# Altium PCB radxa_nx4_io_board_v1.11.PcbDoc (part 3 of 13) (continued)
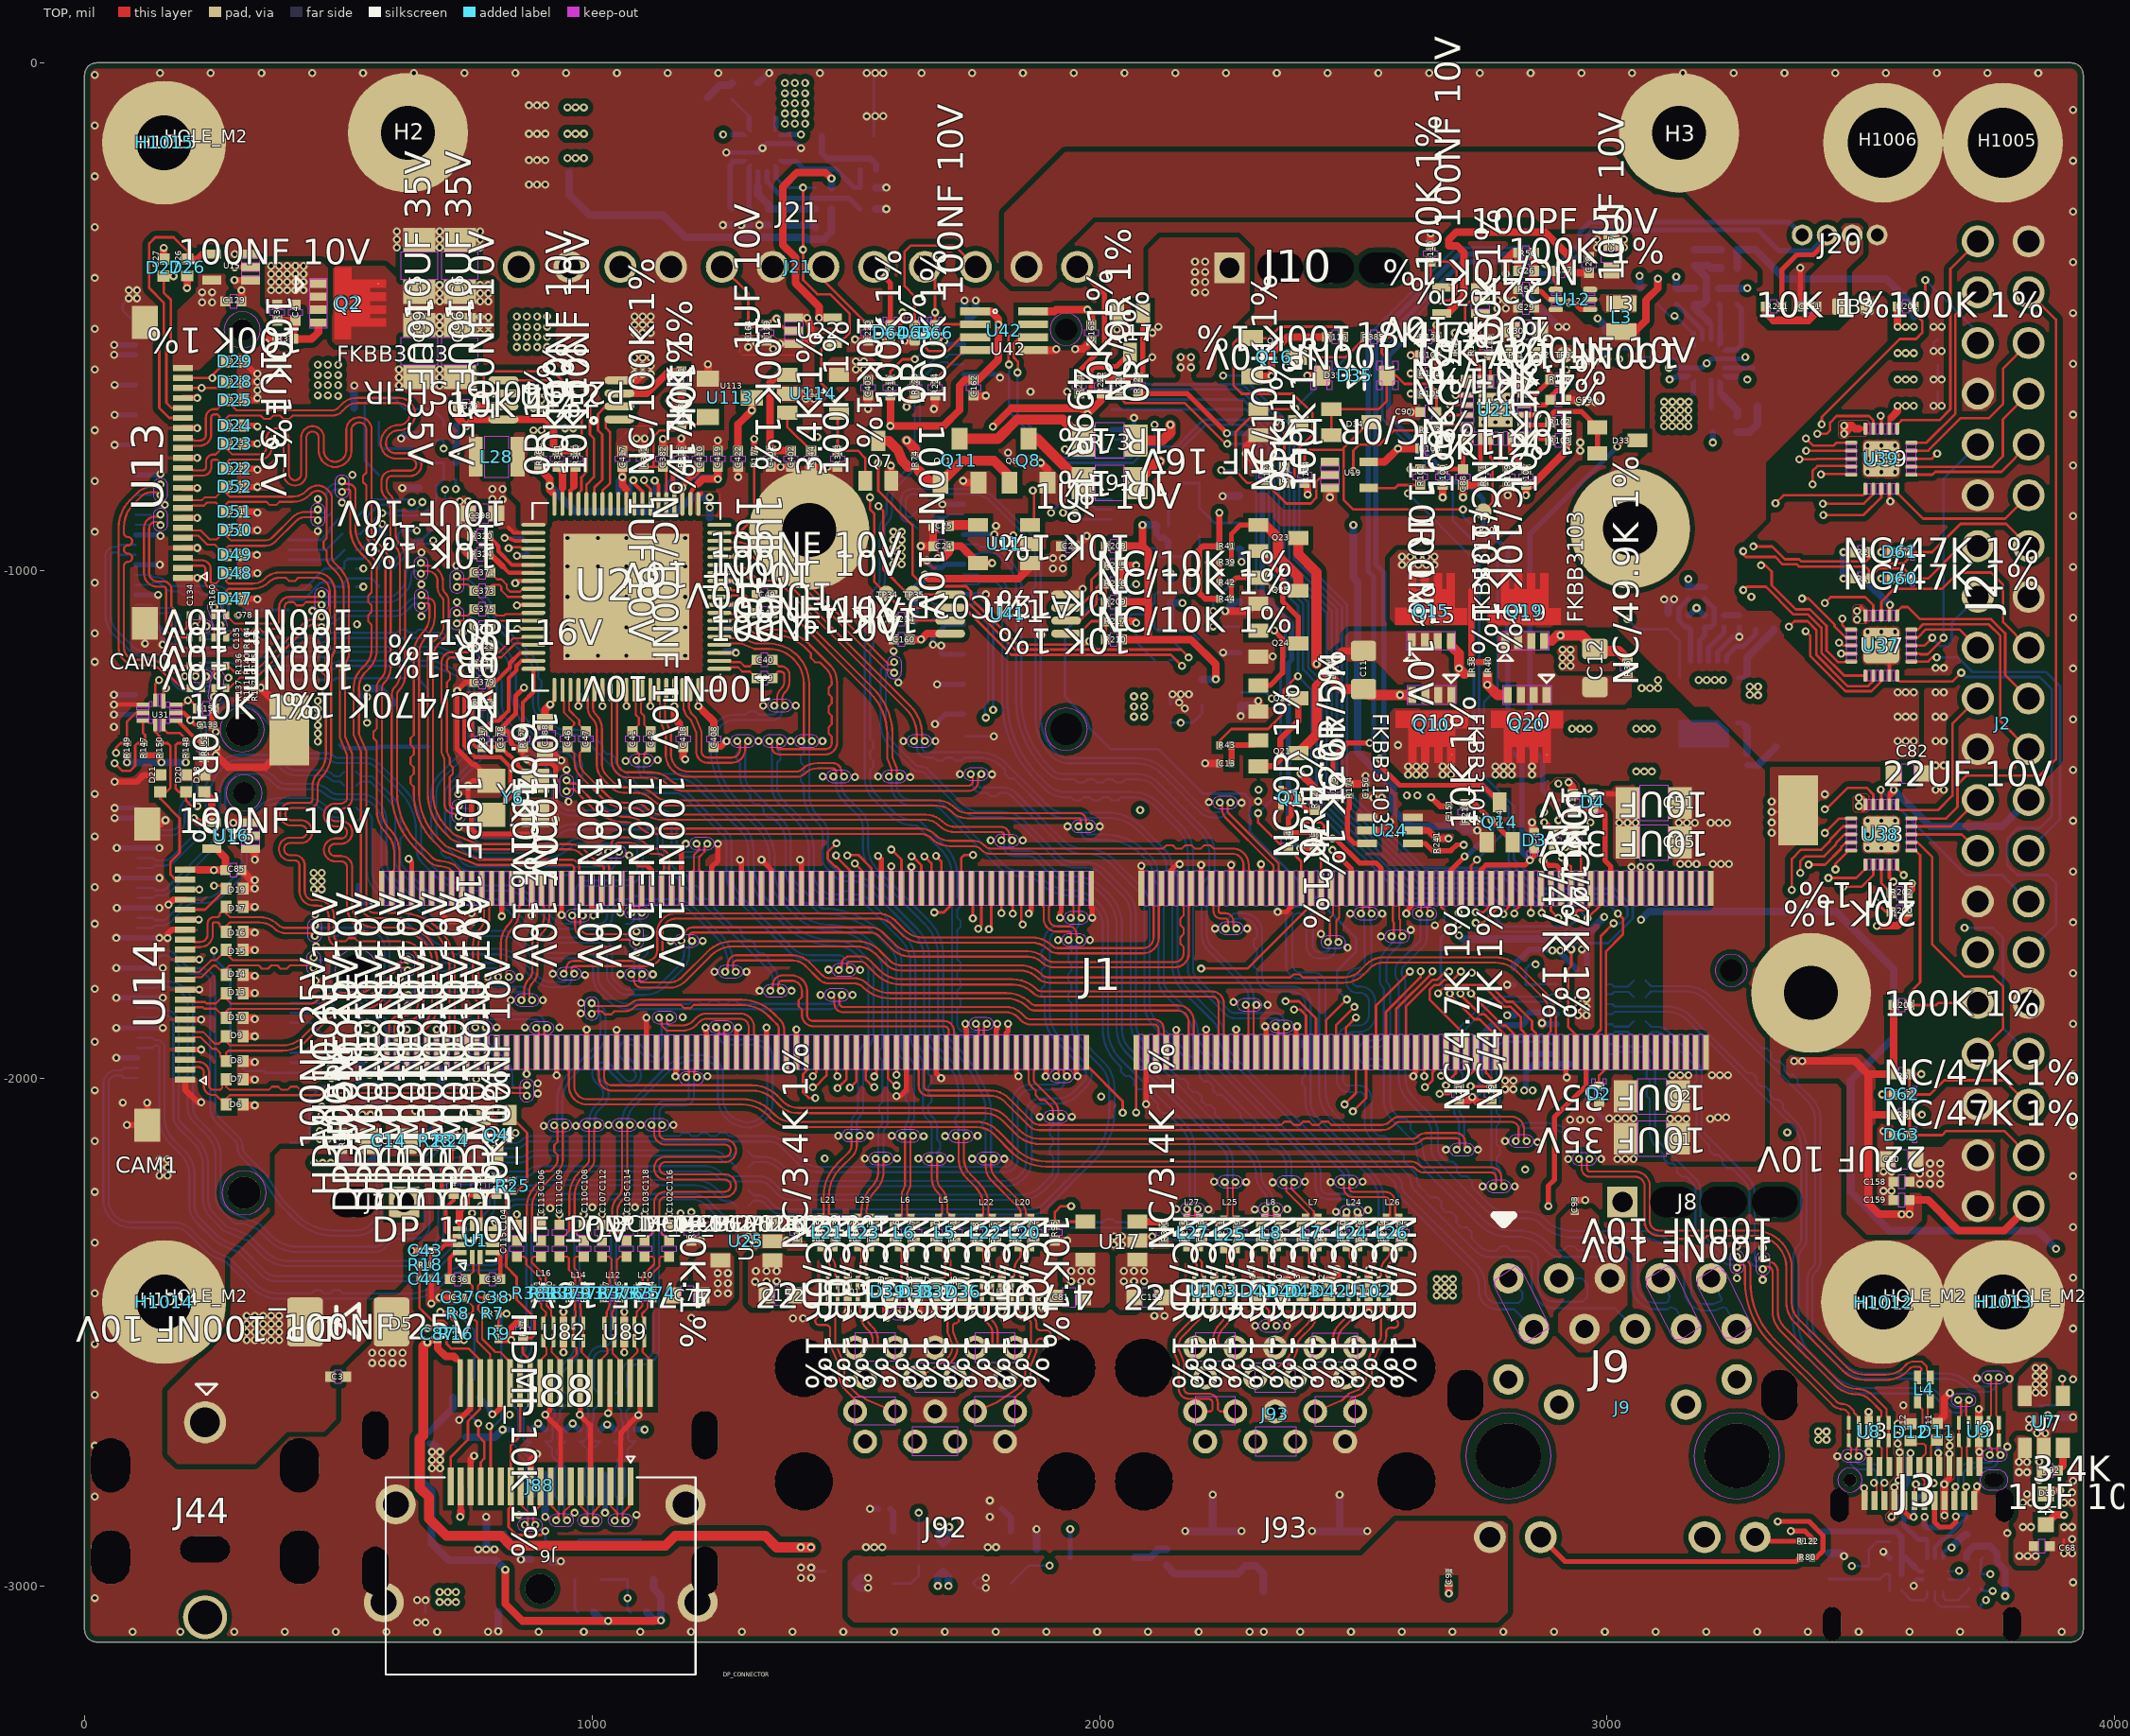
[diagram p0: TOP view]
## Footprints (in the part's own frame and the unit in brackets; to place one, negate y for a bottom-side part, rotate by r counter-clockwise, add the part's x,y. Pads: shape width x height; smd on the part's side, far side on the other; paste and mask are expansions set on the pad) (continued)
  TOP keep-out region: 1111.46,695.37 1111.46,626.48 1102.8,626.48 1102.8,695.37
  TOP keep-out region: 1131.15,695.37 1131.15,626.48 1122.49,626.48 1122.49,695.37
  TOP keep-out region: 1150.83,695.37 1150.83,626.48 1142.17,626.48 1142.17,695.37
  TOP keep-out region: 1170.52,695.37 1170.52,626.48 1161.86,626.48 1161.86,695.37
  TOP keep-out region: 1190.2,695.37 1190.2,626.48 1181.54,626.48 1181.54,695.37
  TOP keep-out region: 1209.89,695.37 1209.89,626.48 1201.23,626.48 1201.23,695.37
  TOP keep-out region: 1229.57,695.37 1229.57,626.48 1220.91,626.48 1220.91,695.37
  TOP keep-out region: 1249.26,695.37 1249.26,626.48 1240.6,626.48 1240.6,695.37
  TOP keep-out region: 1268.94,695.37 1268.94,626.48 1260.28,626.48 1260.28,695.37
  TOP keep-out region: 1288.63,695.37 1288.63,626.48 1279.97,626.48 1279.97,695.37
  TOP keep-out region: 1308.31,695.37 1308.31,626.48 1299.65,626.48 1299.65,695.37
  TOP keep-out region: -79.48,372.54 -79.48,303.64 -88.14,303.64 -88.14,372.54
  TOP keep-out region: -59.8,372.54 -59.8,303.64 -68.46,303.64 -68.46,372.54
  TOP keep-out region: -40.11,372.54 -40.11,303.64 -48.77,303.64 -48.77,372.54
  TOP keep-out region: -20.43,372.54 -20.43,303.64 -29.09,303.64 -29.09,372.54
  TOP keep-out region: -0.74,372.54 -0.74,303.64 -9.4,303.64 -9.4,372.54
  TOP keep-out region: 18.94,372.54 18.94,303.64 10.28,303.64 10.28,372.54
  TOP keep-out region: 38.63,372.54 38.63,303.64 29.97,303.64 29.97,372.54
  TOP keep-out region: 58.31,372.54 58.31,303.64 49.65,303.64 49.65,372.54
  TOP keep-out region: 78,372.54 78,303.64 69.34,303.64 69.34,372.54
  TOP keep-out region: 97.68,372.54 97.68,303.64 89.02,303.64 89.02,372.54
  TOP keep-out region: 117.37,372.54 117.37,303.64 108.71,303.64 108.71,372.54
  TOP keep-out region: 137.05,372.54 137.05,303.64 128.39,303.64 128.39,372.54
  TOP keep-out region: 156.74,372.54 156.74,303.64 148.08,303.64 148.08,372.54
  TOP keep-out region: 176.42,372.54 176.42,303.64 167.76,303.64 167.76,372.54
  TOP keep-out region: 196.11,372.54 196.11,303.64 187.45,303.64 187.45,372.54
  TOP keep-out region: 215.79,372.54 215.79,303.64 207.13,303.64 207.13,372.54
  TOP keep-out region: 235.48,372.54 235.48,303.64 226.82,303.64 226.82,372.54
  TOP keep-out region: 255.16,372.54 255.16,303.64 246.5,303.64 246.5,372.54
  TOP keep-out region: 274.85,372.54 274.85,303.64 266.19,303.64 266.19,372.54
  TOP keep-out region: 294.54,372.54 294.54,303.64 285.87,303.64 285.87,372.54
  TOP keep-out region: 314.22,372.54 314.22,303.64 305.56,303.64 305.56,372.54
  TOP keep-out region: 333.91,372.54 333.91,303.64 325.24,303.64 325.24,372.54
  TOP keep-out region: 353.59,372.54 353.59,303.64 344.93,303.64 344.93,372.54
  TOP keep-out region: 373.28,372.54 373.28,303.64 364.61,303.64 364.61,372.54
  TOP keep-out region: 392.96,372.54 392.96,303.64 384.3,303.64 384.3,372.54
  TOP keep-out region: 412.65,372.54 412.65,303.64 403.98,303.64 403.98,372.54
  TOP keep-out region: 432.33,372.54 432.33,303.64 423.67,303.64 423.67,372.54
  TOP keep-out region: 452.02,372.54 452.02,303.64 443.35,303.64 443.35,372.54
  TOP keep-out region: 471.7,372.54 471.7,303.64 463.04,303.64 463.04,372.54
  TOP keep-out region: 491.39,372.54 491.39,303.64 482.72,303.64 482.72,372.54
  TOP keep-out region: 511.07,372.54 511.07,303.64 502.41,303.64 502.41,372.54
  TOP keep-out region: 530.76,372.54 530.76,303.64 522.09,303.64 522.09,372.54
  TOP keep-out region: 550.44,372.54 550.44,303.64 541.78,303.64 541.78,372.54
  TOP keep-out region: 570.13,372.54 570.13,303.64 561.46,303.64 561.46,372.54
  TOP keep-out region: 589.81,372.54 589.81,303.64 581.15,303.64 581.15,372.54
  TOP keep-out region: 609.5,372.54 609.5,303.64 600.83,303.64 600.83,372.54
  TOP keep-out region: 629.18,372.54 629.18,303.64 620.52,303.64 620.52,372.54
  TOP keep-out region: 648.87,372.54 648.87,303.64 640.2,303.64 640.2,372.54
  TOP keep-out region: 668.55,372.54 668.55,303.64 659.89,303.64 659.89,372.54
  TOP keep-out region: 688.24,372.54 688.24,303.64 679.57,303.64 679.57,372.54
  TOP keep-out region: 707.92,372.54 707.92,303.64 699.26,303.64 699.26,372.54
  TOP keep-out region: 727.61,372.54 727.61,303.64 718.94,303.64 718.94,372.54
  TOP keep-out region: 747.29,372.54 747.29,303.64 738.63,303.64 738.63,372.54
  TOP keep-out region: 766.98,372.54 766.98,303.64 758.31,303.64 758.31,372.54
  TOP keep-out region: 786.66,372.54 786.66,303.64 778,303.64 778,372.54
  TOP keep-out region: 806.35,372.54 806.35,303.64 797.68,303.64 797.68,372.54
  TOP keep-out region: 826.03,372.54 826.03,303.64 817.37,303.64 817.37,372.54
  TOP keep-out region: 845.72,372.54 845.72,303.64 837.05,303.64 837.05,372.54
  TOP keep-out region: 865.4,372.54 865.4,303.64 856.74,303.64 856.74,372.54
  TOP keep-out region: 885.09,372.54 885.09,303.64 876.42,303.64 876.42,372.54
  TOP keep-out region: 904.77,372.54 904.77,303.64 896.11,303.64 896.11,372.54
  TOP keep-out region: 924.46,372.54 924.46,303.64 915.79,303.64 915.79,372.54
  TOP keep-out region: 944.14,372.54 944.14,303.64 935.48,303.64 935.48,372.54
  TOP keep-out region: 963.83,372.54 963.83,303.64 955.16,303.64 955.16,372.54
  TOP keep-out region: 983.51,372.54 983.51,303.64 974.85,303.64 974.85,372.54
  TOP keep-out region: 1003.2,372.54 1003.2,303.64 994.54,303.64 994.54,372.54
  TOP keep-out region: 1022.88,372.54 1022.88,303.64 1014.22,303.64 1014.22,372.54
  TOP keep-out region: 1042.57,372.54 1042.57,303.64 1033.91,303.64 1033.91,372.54
  TOP keep-out region: 1062.25,372.54 1062.25,303.64 1053.59,303.64 1053.59,372.54
  TOP keep-out region: 1081.94,372.54 1081.94,303.64 1073.28,303.64 1073.28,372.54
  TOP keep-out region: 1101.62,372.54 1101.62,303.64 1092.96,303.64 1092.96,372.54
  TOP keep-out region: 1121.31,372.54 1121.31,303.64 1112.65,303.64 1112.65,372.54
  TOP keep-out region: 1140.99,372.54 1140.99,303.64 1132.33,303.64 1132.33,372.54
  TOP keep-out region: 1160.68,372.54 1160.68,303.64 1152.02,303.64 1152.02,372.54
  TOP keep-out region: 1180.36,372.54 1180.36,303.64 1171.7,303.64 1171.7,372.54
  TOP keep-out region: 1200.05,372.54 1200.05,303.64 1191.39,303.64 1191.39,372.54
  TOP keep-out region: 1219.73,372.54 1219.73,303.64 1211.07,303.64 1211.07,372.54
  TOP keep-out region: 1239.42,372.54 1239.42,303.64 1230.76,303.64 1230.76,372.54
  TOP keep-out region: 1259.1,372.54 1259.1,303.64 1250.44,303.64 1250.44,372.54
  TOP keep-out region: 1278.79,372.54 1278.79,303.64 1270.13,303.64 1270.13,372.54
  TOP keep-out region: 1298.47,372.54 1298.47,303.64 1289.81,303.64 1289.81,372.54
  Multi-Layer keep-out region: -1386.25,499.51 -1385.17,491.29 -1382,483.62 -1376.95,477.04 -1370.37,471.99 -1362.7,468.82 -1354.48,467.74 -1346.26,468.82 -1338.59,471.99 -1338.59,471.99 -1332.01,477.04 -1326.96,483.62 -1323.79,491.29 -1322.71,499.51 -1323.79,507.73 -1326.96,515.4 -1332.01,521.98 -1338.59,527.03 -1338.59,527.03 -1346.26,530.2 -1354.48,531.28 -1362.7,530.2 -1370.37,527.03 -1376.95,521.98 -1382,515.4 -1385.17,507.73 -1386.25,499.51
  Multi-Layer keep-out region: 1312.48,499.51 1313.9,488.72 1318.07,478.66 1324.7,470.03 1333.33,463.4 1343.39,459.23 1354.18,457.81 1364.97,459.23 1375.03,463.4 1375.03,463.4 1383.66,470.03 1390.29,478.66 1394.46,488.72 1395.88,499.51 1394.46,510.3 1390.29,520.36 1383.66,528.99 1375.03,535.62 1375.03,535.62 1364.97,539.79 1354.18,541.21 1343.39,539.79 1333.33,535.62 1324.7,528.99 1318.07,520.36 1313.9,510.3 1312.48,499.51
  Multi-Layer keep-out region: -1386.25,499.51 -1385.17,491.29 -1382,483.62 -1376.95,477.04 -1370.37,471.99 -1362.7,468.82 -1354.48,467.74 -1346.26,468.82 -1338.59,471.99 -1338.59,471.99 -1332.01,477.04 -1326.96,483.62 -1323.79,491.29 -1322.71,499.51 -1323.79,507.73 -1326.96,515.4 -1332.01,521.98 -1338.59,527.03 -1338.59,527.03 -1346.26,530.2 -1354.48,531.28 -1362.7,530.2 -1370.37,527.03 -1376.95,521.98 -1382,515.4 -1385.17,507.73 -1386.25,499.51
  Multi-Layer keep-out region: 1312.48,499.51 1313.9,488.72 1318.07,478.66 1324.7,470.03 1333.33,463.4 1343.39,459.23 1354.18,457.81 1364.97,459.23 1375.03,463.4 1375.03,463.4 1383.66,470.03 1390.29,478.66 1394.46,488.72 1395.88,499.51 1394.46,510.3 1390.29,520.36 1383.66,528.99 1375.03,535.62 1375.03,535.62 1364.97,539.79 1354.18,541.21 1343.39,539.79 1333.33,535.62 1324.7,528.99 1318.07,520.36 1313.9,510.3 1312.48,499.51
  silkscreen extent 1298,712 1330,736, body extent -1535,-701 1535,701, height 150
SOT23_5#1 [mm] "SOT23_5"
  rect 1x0.7 smd: 1(1.3,-0.95) 2(1.3,0) 3(1.3,0.95) 4(-1.3,0.95) 5(-1.3,-0.95)
  silkscreen extent 1.91,-1.27 2.67,-0.76, body extent -0.85,-1.6 0.85,1.6, height 3.81
SOT23_5#2 [mm] "SOT23_5"
  rect 1x0.7 smd: 1(-1.3,0.95) 2(-1.3,0) 3(-1.3,-0.95) 4(1.3,-0.95) 5(1.3,0.95)
  silkscreen extent -2.67,0.76 -1.9,1.27, body extent -0.85,-1.6 0.85,1.6, height 3.81
SOT23_8 [mil] "SOT23_8"
  rect 15.75x59.06 smd: 1(-38.39,-57.09) 2(-12.8,-57.09) 3(12.8,-57.09) 4(38.39,-57.09) 5(38.39,57.09) 6(12.8,57.09) 7(-12.8,57.09) 8(-38.39,57.09)
  silkscreen extent -42,-22 -34,-14, body extent -67,-39 67,39, height 150
SOT563 [mil] "SOT563"
  rrect73% 28x11 smd: 1(-31.72,19.68) 2(-31.72,0) 3(-31.72,-19.68) 4(35.64,-19.68) 5(35.64,0) 6(35.64,19.68)
  TOP keep-out region: -21.66,7.87 -21.66,11.81 -41.35,11.81 -41.35,7.87
  TOP keep-out region: -21.66,-11.81 -21.66,-7.87 -41.35,-7.87 -41.35,-11.81
  TOP keep-out region: 45.27,7.87 45.27,11.81 25.58,11.81 25.58,7.87
  TOP keep-out region: 45.27,-11.81 45.27,-7.87 25.58,-7.87 25.58,-11.81
  silkscreen extent -41,32 -26,48, body extent -61,-43 61,43, height 150
SOT_23 [mil] "SOT_23"
  rect 43.31x31.5 smd: 1(43.31,-37.4) 2(43.31,37.4) 3(-43.31,0)
  body extent -33,-59 33,59, height 150
SOT_323#1 [mm] "SOT_323"
  rect 0.7x1 smd: 1(-0.65,-1) 2(0.65,-1) 3(0,1)
  body extent -1.2,-0.75 1.2,0.75, height 3.81
SOT_323#2 [mm] "SOT_323"
  rect 0.7x1 smd: 1(0.65,1) 2(-0.65,1) 3(0,-1)
  body extent -1.2,-0.75 1.2,0.75, height 3.81
SOT_363 [mm] "SOT_363"
  rect 1x0.4 smd: 1(-1.15,0.65) 2(-1.15,0) 3(-1.15,-0.65) 4(1.15,-0.65) 5(1.15,0) 6(1.15,0.65)
  silkscreen extent -2.35,0.39 -1.71,1.03, body extent -0.8,-1.23 0.8,1.23, height 3.81
SOT_723 [mil] "SOT_723"
  rect 15.75x11.81 smd: 1(-15.85,-18.51) 2(15.84,-18.51) 3(0,18.5)
  body extent -26,-26 26,26, height 150
TMLP_0D4_1D2 [mm] "TMLP_0D4_1D2"
  rect 0.7x0.2 smd: 1(0.85,-0.4) 2(0.85,0) 3(0.85,0.4) 6(-0.85,0.4) 7(-0.85,0) 8(-0.85,-0.4)
  rect 0.2x0.7 smd: 4(0.2,0.65) 5(-0.2,0.65) 9(-0.2,-0.65) 10(0.2,-0.65)
  silkscreen extent 1.35,-0.6 1.65,-0.2, body extent -1.3,-1.1 1.3,1.1, height 3.81
TP32 [mil] "TP32"
  round 32 smd: 1(0,0)
  body extent -25,-25 25,25, height 150
TSSOP8_0D65_4 [mil] "TSSOP8_0D65_4"
  oval 58.9x15.8 smd: 1(-114.2,38.4) 2(-114.2,12.8) 3(-114.2,-12.8) 4(-114.2,-38.4) 5(114.2,-38.4) 6(114.2,-12.8) 7(114.2,12.8) 8(114.2,38.4)
  silkscreen extent -70,35 -58,47, body extent -126,-59 126,59, height 150
TYPEC_SM24_0D5_LIE [mm] "TYPEC_SM24_0D5_LIE"
  rect 0.3x0.95 smd: A1(-2.625,4.97) A2(-2.125,4.97) A3(-1.625,4.97) A4(-1.125,4.97) A5(-0.625,4.97) A6(-0.125,4.97) A7(0.375,4.97) A8(0.875,4.97) A9(1.375,4.97) A10(1.875,4.97) A11(2.375,4.97) A12(2.875,4.97) B1(2.625,3.28) B2(2.125,3.28) B3(1.625,3.28) B4(1.125,3.28) B5(0.625,3.28) B6(0.125,3.28) B7(-0.375,3.28) B8(-0.875,3.28) B9(-1.375,3.28) B10(-1.875,3.28) B11(-2.375,3.28) B12(-2.875,3.28)
  oval 0.9x1.7 hole 0.9 slot 1.7 at 90 deg: H1(4.13,3.05) H2(-4.13,3.05) H3(4.5,-2.9) H4(-4.5,-2.9)
  oval 0.95x0.65 hole 0.65 slot 0.95 at 0 deg unplated: H5(3.6,4.3)
  round 0.65 hole 0.65 unplated: H6(-3.6,4.3)
  Multi-Layer keep-out region: 3.4,3.8 3.8,3.8 4.017,3.849 4.191,3.988 4.288,4.189 4.288,4.411 4.191,4.612 4.017,4.751 3.8,4.8 3.8,4.8 3.4,4.8 3.183,4.751 3.009,4.612 2.912,4.411 2.912,4.189 3.009,3.988 3.183,3.849 3.4,3.8
  Multi-Layer keep-out region: -2.988,4.3 -3.035,4.534 -3.167,4.733 -3.366,4.865 -3.6,4.912 -3.834,4.865 -3.901,4.821 -3.901,4.821 -4.032,4.733 -4.165,4.534 -4.212,4.3 -4.165,4.066 -4.032,3.867 -3.901,3.779 -3.901,3.779 -3.834,3.735 -3.6,3.688 -3.366,3.735 -3.167,3.867 -3.035,4.066 -2.988,4.3
  body extent -5,-5.6 5,5.6, height 3.81
UQFN12_0D4_2 [mm] "UQFN12_0D4_2"
  rect 0.7x0.25 smd: 1(-0.825,0.2) 2(-0.825,-0.2) 7(0.825,-0.2) 8(0.825,0.2)
  rect 0.25x0.7 smd: 3(-0.6,-0.825) 4(-0.2,-0.825) 5(0.2,-0.825) 6(0.6,-0.825) 9(0.6,0.825) 10(0.2,0.825) 11(-0.2,0.825) 12(-0.6,0.825)
  silkscreen extent -1.47,-1 1,1, body extent -1.3,-1.3 1.3,1.3, height 3.81
USB3_TH18_17D0X14D0_LIE [mm] "USB3_TH18_17D0X14D0_LIE"
  round 1.2 hole 0.7: 1(-3.5,2.95) 2(-1,2.95) 3(1,2.95) 4(3.5,2.95) 5(4,4.45) 6(2,4.45) 7(0,4.45) 8(-2,4.45) 9(-4,4.45) 10(-3.5,6.15) 11(-1,6.15) 12(1,6.15) 13(3.5,6.15) 14(4,7.65) 15(2,7.65) 16(0,7.65) 17(-2,7.65) 18(-4,7.65)
  round 2.9 hole 2.9: 19(-6.57,6.63) 20(6.57,6.63) 21(-6.57,0.95) 22(6.57,0.95)
  body extent -7.2,-9.15 7.2,9.15, height 3.81
XSON10_0D5_1D1X2D6 [mm] "XSON10_0D5_1D1X2D6"
  rect 0.2x0.67 smd: 1(-1,-0.437) 2(-0.5,-0.437) 4(0.5,-0.437) 5(1,-0.437) 6(1,0.437) 7(0.5,0.437) 9(-0.5,0.437) 10(-1,0.437)
  rect 0.4x0.775 smd: 3(0,-0.388) 8(0,0.388)
  body extent -1.15,-0.82 1.15,0.82, height 3.81

## Via types
v1: diameter 16, hole 8, TOP to BOTTOM, 1896 vias

## Nets (pads, with @x,y where several pads share a name; then routed paths per layer and width w, separated by ;. In a path a pad name is that pad's centre, name@x,y a point inside that pad or via, vN(x,y) a via of type N, cw(c..) or ccw(c..) an arc to the next point about the centre after c; other vN are vias at no path point)
3V3_AO: C26.1 C29.1 C30.1 C89.1 L3.2 R41.1 R44.1 R49.1 R56.1 R100.1 R102.1 R103.1 R104.1 R105.1 R106.1 R107.1 R108.1 R129.1 U12.6 U19.5 U21.4 U22.5 | length 3151.5
  TOP w10: U21.4@2836.1,-674.16 2878.09,-674.16 C89.1@2888.25,-664 2888.25,-657.75 2899.98,-646.02 2910.23,-641.77 2919.75,-632.25 R108.1@2919.75,-624
  TOP w12: R44.1@2236.19,-1056 2208,-1056 2196,-1044 2196,-960 2204,-952 R41.1@2236.19,-952 v1(2236.19,-886.5)
  TOP w15: v1(1472,-228) 1460,-216 1404,-216 1376,-244 1376,-358.54 1401,-383.54 1401,-434.23 1447.68,-480.91 v1(1447.68,-502.41) U22.5@1474.19,-502.41 ; U19.5@2530.19,-786.41 2561.59,-786.41 v1(2588,-760) R106.1@2632.25,-760 ; v1(2613,-652) R105.1@2632.25,-652 ; v1(2613,-576) R107.1@2632.25,-576 ; v1(2676,-856) R100.1@2676,-831.75 ; v1(2800,-416.25) 2800,-389 2815,-374 R56.1@2824.25,-374 C26.1@2824.25,-410 ; v1(2840,-852) R104.1@2840,-831.75 2851.75,-831.75 v1(2919.75,-763.75) R103.1@2919.75,-744 R102.1@2919.75,-708 ; R108.1@2919.75,-624 v1(2919.75,-605) ; L3.2@3054.44,-529.56 3076,-508 3076,-468 3100,-444 v1(3100,-425.41)
  ART03 w15: v1(1444,-737) 1444,-716 1400,-672 1400,-612.01 1447.68,-564.33 v1(1447.68,-502.41)
  ART04 w15: v1(1444,-737) 1534.22,-737 1562.72,-765.5 1761.24,-765.5 1859.74,-864 1964.01,-864 1986.51,-886.5 v1(2236.19,-886.5) 2645.5,-886.5 v1(2676,-856)
  BOTTOM w15: R129.1@1471.75,-246 1471.75,-228.25 v1(1472,-228) ; v1(2800,-416.25) v1(2903.75,-520) v1(2919.75,-520) ; R49.1@3100,-444.25 v1(3100,-425.41)
5V: C52.1 U4.9 | length 95
  BOTTOM w10: U4.9@3235.43,-1179.23 3235.43,-1168.4 3254.11,-1149.72 3267.89,-1149.72 3292,-1125.61 C52.1@3292,-1115.75
5V_PG_BUF_R: R101.2 U19.4 | length 104.2
  TOP w5: U19.4@2530.19,-837.59 2582.41,-837.59 2588.25,-831.75 R101.2@2632,-831.75
AP_WAKE_BT: Q29.1 R169.1 | length 1943.5
  ART04 w5: v1(710.66,-840.88) 710.66,-833.34 720.69,-823.31 734.16,-823.31 783.97,-773.5 961.13,-773.5 1027.63,-707 1242.22,-707 1289.22,-660 1392,-660 1431,-699 1606.99,-699 1653.03,-745.04 2040.77,-745.04 2108.4,-812.67 2229.73,-812.67 v1(2239.74,-802.66)
  BOTTOM w5: R169.1@580.19,-996 580.19,-985.81 588,-978 612.87,-978 653,-937.87 667,-937.87 710.66,-894.21 v1(710.66,-840.88) ; v1(2239.74,-802.66) 2239.99,-802.41 Q29.1@2275.37,-802.41
AUTO_ON_DIS: J21.6 R220.1 | length 150.5
  TOP w5: J21.6@1456,-402.18 1456,-428.25 R220.1@1544,-516.25
BBAT: D1.2 J1.235 | length 2241.3
  TOP w10: v1(2884,-2252) 2884,-2212.24 2896,-2200.24 2896,-2077.12 2958.06,-2015.06 J1.235@2958.06,-1948.92
  ART03 w10: v1(1942.19,-2888) 2004,-2826.19 2004,-2036.84 v1(2003.16,-2036)
  ART04 w10: v1(2003.16,-2036) 2007.16,-2032 2410.25,-2032 2626.05,-2247.8 2879.8,-2247.8 v1(2884,-2252)
  BOTTOM w10: D1.2@1942.19,-2944 v1(1942.19,-2888)
BMCU_ACOK: C88.1 D64.2 J21.5 R100.2 R101.1 U21.16 | length 1484.6
  TOP w10: J21.5@1556,-402.18 1588,-434.18 D64.2@1588,-516 1605.43,-516 1612,-509.43 v1(1612,-492) ; v1(2612,-800.25) R101.1@2632,-800.25 R100.2@2676,-800.25 C88.1@2716,-800.25 2716,-748 U21.16@2723.9,-740.1
  ART04 w10: v1(1612,-492) 1638.83,-518.83 1755.55,-518.83 1786.72,-550 1824.52,-550 1893.52,-619 2213,-619 2235,-597 2363.36,-597 2566.61,-800.25 v1(2612,-800.25)
BMCU_BRD_SEL: R107.2 R112.2 U21.11 | length 102.7
  TOP w10: R107.2@2663.75,-576 R112.2@2663.75,-612 2679.65,-627.9 U21.11@2723.9,-627.9
BMCU_C2CK: R108.2 TP32.1 U21.5 | length 123.8
  TOP w10: U21.5@2836.1,-654.47 2857.78,-654.47 R108.2@2888.25,-624 2888.25,-612.25 2864,-588 TP32.1@2864,-575
BMCU_C2D: TP31.1 U21.6 | length 62.9
  TOP w10: TP31.1@2812,-575 2830.39,-593.39 2830.39,-594.39 2836.1,-600.1 U21.6@2836.1,-627.9
BMCU_P01: R103.2 U21.1 | length 53.8
  TOP w10: U21.1@2836.1,-740.1 2884.35,-740.1 R103.2@2888.25,-744
BMCU_P02: R104.2 U21.20 | length 72.8
  TOP w10: U21.20@2809.53,-740.1 2809.53,-769.78 R104.2@2840,-800.25
BMCU_P03: R109.1 U21.19 | length 66
  TOP w10: U21.19@2789.84,-740.1 2789.84,-786.09 R109.1@2804,-800.25
BMCU_P05: R111.1 U21.17 | length 62.4
  TOP w10: U21.17@2750.47,-740.1 2750.47,-794.72 R111.1@2756,-800.25
BMCU_PGOOD: R106.2 R113.1 U21.15 | length 100.5
  TOP w5: R106.2@2663.75,-760 R113.1@2663.75,-724 2674.22,-713.53 U21.15@2723.9,-713.53
BMCU_POWER_EN: R115.1 U20.2 U21.9 | length 218
  TOP w5: U20.2@2750.19,-468 2732,-468 2720,-480 2720,-508 2727.5,-515.5 2739.5,-515.5 2749.66,-525.66 2749.66,-569.66 2755.75,-575.75 R115.1@2768,-575.75 2770.16,-577.91 U21.9@2770.16,-627.9
BMCU_PWR_BTN*: D33.1 D33.2 R102.2 U21.2 | length 227.2
  TOP w10: U21.2@2836.1,-713.53 2882.72,-713.53 R102.2@2888.25,-708 2888.25,-694.91 2896,-687.16 2949.38,-687.16 D33.1@2980.63,-718.41 D33.2@2980.63,-769.59
BMCU_UART_TX: TP30.1 U21.18 | length 153.2
  TOP w5: TP30.1@2756,-884 2774.34,-865.66 2774.34,-782.34 2770.16,-778.16 U21.18@2770.16,-740.1
BOARD_ID_A0: R210.2 R217.1 U41.1 | length 124.2
  TOP w5: U41.1@1934.2,-1124.4 1959.61,-1124.4 1984.01,-1100 R217.1@2012.25,-1100 R210.2@2012.25,-1136
BOARD_ID_WP: R214.1 U41.7 | length 81.2
  TOP w5: R214.1@1625.75,-1096 1628.55,-1098.8 U41.7@1705.8,-1098.8
BRD_ID_A1: R209.2 R216.1 U41.2 | length 162.9
  TOP w5: U41.2@1934.2,-1098.8 1961.2,-1098.8 1994.15,-1065.85 1994.15,-1033.85 2002,-1026 R216.1@2012.25,-1026 R209.2@2012.25,-1062
BRD_ID_A2: R208.2 R215.1 U41.3 | length 168
  TOP w5: U41.3@1934.2,-1073.2 1958.95,-1073.2 1984,-1048.15 1984,-1018.25 R215.1@2012.25,-990 R208.2@2012.25,-952
BT_M2_EN: J1.126 Q12.1 | length 987.9
  TOP w5: v1(1806.49,-1675.13) J1.126@1806.49,-1626.09
  ART03 w5: v1(1806.49,-1675.13) 1806.49,-1632.44 1883.3,-1555.63 2019.72,-1555.63 2096.51,-1478.84 2096.51,-1386.83 2202.5,-1280.84 2202.5,-1101.84 v1(2224.12,-1080.22)
  BOTTOM w5: v1(2224.12,-1080.22) 2224.12,-1061.66 Q12.1@2275.37,-1010.41
BT_M2_WAKE_AP: J1.124 J15.20 R396.2 | length 1337.6
  TOP w5: v1(1781.97,-1706.77) 1786.8,-1701.94 J1.124@1786.8,-1626.09
  ART03 w5: v1(1781.97,-1706.77) 1781.97,-1702.82 1774.99,-1695.84 1774.99,-1628.58 1886.5,-1517.07 1886.5,-957.5 1931.04,-912.96 1949.17,-912.96 2000,-862.13 2000,-821.41 v1(2108.25,-713.16)
  BOTTOM w5: J15.20@2023.74,-741.85 2102.4,-741.85 R396.2@2108.25,-736 v1(2108.25,-713.16)
BUCK_3V3_EN: Q7.1 R49.2 R129.2 R343.2 U3.9 U6.9 U21.13 U22.4 U114.4 | length 3027.8
  TOP w5: v1(1416,-246) v1(1416,-368.13) 1416,-428.01 1443.99,-456 1469.6,-456 1508,-494.4 1508,-532 1486.41,-553.59 U22.4@1474.19,-553.59 1463.41,-553.59 1452,-565 1452,-632 1487.18,-667.18 U114.4@1487.18,-689.4 1484,-692.58 R343.2@1484,-764.25 1524.25,-764.25 1538.41,-778.41 Q7.1@1538.41,-823.37 ; v1(2690.16,-674.16) U21.13@2723.9,-674.16
  ART04 w5: v1(1416,-368.13) 1408,-376.13 1408,-425.5 1428,-445.5 2105.19,-445.5 2163.35,-503.66 2619.97,-503.66 2631.97,-491.66 2647.25,-491.66 ; v1(2690.16,-674.16) 2668.5,-652.5 2668.5,-578.82 2647.25,-557.57 2647.25,-491.66 ; v1(3132.62,-498.59) 3121.24,-487.21 2964.5,-487.21 2923.79,-446.5 2770.16,-446.5 2725,-491.66 2647.25,-491.66
  BOTTOM w5: U6.9@1362.57,-215.24 1362.57,-226.57 1382,-246 v1(1416,-246) R129.2@1440.25,-246 ; R49.2@3100,-475.75 3122.84,-498.59 v1(3132.62,-498.59) 3134.59,-498.59 3169.43,-533.43 U3.9@3169.43,-544.76
BUCK_3V3_PG: R54.2 R113.2 R131.1 U3.7 U11.3 | length 4480.5
  TOP w5: U11.3@1863.18,-910.6 1871.18,-902.6 1871.18,-845.03 v1(1868.65,-842.5) ; v1(2500,-804) 2500,-764 2512,-752 2552,-752 2580,-724 R113.2@2632.25,-724
  ART03 w5: v1(1644,-2856) 1628,-2872 1388,-2872 1348,-2832 1348,-2484 1406,-2426 1406,-2250 1476,-2180 1476,-2152 1467.27,-2143.27 1467.27,-2104.73 1539.6,-2032.4 1539.6,-1989.78 1576.3,-1953.08 1576.3,-1691.7 1694.42,-1573.58 1694.42,-1526.62 1836.5,-1384.54 1836.5,-1028.5 1813.5,-1005.5 1813.5,-924.15 1868.65,-869 v1(1868.65,-842.5)
  ART04 w5: v1(1868.65,-842.5) 2223.24,-842.5 2261.74,-804 v1(2500,-804) 2560.75,-864.75 2615.25,-864.75 2664,-816 2983.34,-816 3049.04,-750.3 3049.04,-609.29 v1(3023.75,-584)
  BOTTOM w5: R131.1@1644,-2928.25 v1(1644,-2856) ; v1(3023.75,-584) 3023.75,-568 R54.2@3027.75,-564 3040,-564 3056,-580 3102,-580 3105.14,-583.14 U3.7@3148.76,-583.14
BUCK_5V_PG: Q5.1 R57.2 R81.2 R121.1 U4.4 U12.4 U19.2 | length 2680.9
  TOP w5: v1(2385.67,-681.22) 2384.48,-682.41 Q5.1@2312.63,-682.41 2268,-727.04 2268,-804 2291.75,-827.75 R121.1@2328,-827.75 2368.25,-868 2416,-868 2426.8,-857.2 2426.8,-825.46 2440.26,-812 U19.2@2453.81,-812 ; v1(2878,-396) 2878.25,-396 2892.25,-410 R57.2@2894.25,-410 2894.25,-428.34 2898.92,-433.01 U12.4@2898.92,-446.6
  ART04 w5: v1(2878,-396) 2908.65,-396 2974.86,-462.21 3226.21,-462.21 3412,-648 3412,-695.99 3315,-792.99 3315,-952.75 3267.74,-1000.01 3148.29,-1000.01 3132.3,-1016 3111.48,-1016 3040,-1087.48 v1(3040,-1096)
  BOTTOM w5: v1(2385.67,-681.22) 2385.76,-681.22 2702.44,-364.54 2845.54,-364.54 2877,-396 v1(2878,-396) ; v1(3040,-1096) 3059.75,-1115.75 R81.2@3120,-1115.75 3142.91,-1138.66 U4.4@3142.91,-1211.51
CAM0_I2C_SCL: D28.1 R147.2 U13.20 U31.5 | length 1123.8
  TOP w5: v1(60,-1380) 74.5,-1394.5 90.84,-1394.5 100.5,-1384.84 100.5,-1345 105.31,-1340.19 R147.2@117,-1340.19 120,-1340.19 120,-1323.99 115.52,-1319.51 U31.5@115.52,-1295.75 ; U13.20@194.64,-640.68 v1(231.33,-640.68) 267.57,-640.68 D28.1@279.76,-628.49
  ART04 w5: v1(60,-1380) 43.5,-1363.5 43.5,-1345.16 53.8,-1334.86 60.48,-1334.86 74.94,-1320.4 74.94,-1146.91 107.85,-1114 155.85,-1114 189.27,-1080.58 189.27,-703.13 203.12,-689.28 220.89,-689.28 242.3,-667.87 242.3,-651.65 v1(231.33,-640.68)
CAM0_I2C_SDA: D29.1 R149.2 U13.21 U31.4 | length 1072.9
  TOP w5: v1(62.53,-1359.15) 62.53,-1349.47 71.81,-1340.19 R149.2@84,-1340.19 84,-1298.12 102.12,-1280 U31.4@115.52,-1280 ; U13.21@194.64,-620.99 v1(252.3,-620.99) 252.3,-615.95 D29.1@279.76,-588.49
  ART04 w5: v1(62.53,-1359.15) 62.53,-1349.47 84.94,-1327.06 84.94,-1151.06 112,-1124 160,-1124 199.27,-1084.73 199.27,-707.28 207.27,-699.28 225.04,-699.28 252.3,-672.02 v1(252.3,-620.99)
CAM0_MCLK: D27.1 J1.116 U13.18 | length 2884.9
  TOP w5: v1(175.76,-420.24) D27.1@156.49,-420.24 156.49,-452.81 170.91,-467.23 170.91,-552.77 161.91,-561.77 161.91,-669.92 172.04,-680.05 U13.18@194.64,-680.05 ; v1(1674.4,-1673.54) 1693.1,-1673.54 1708.06,-1658.58 J1.116@1708.06,-1626.09
  ART04 w5: v1(175.76,-420.24) 258.64,-420.24 303.4,-465 335.51,-465 406,-535.49 406,-1121.69 458.31,-1174 543.85,-1174 573.76,-1203.91 573.76,-1435.69 724.42,-1586.35 1503.95,-1586.35 1591.14,-1673.54 v1(1674.4,-1673.54)
CAM0_PWDN: J1.114 U15.2 | length 2521.4
  TOP w5: v1(1677.92,-1562.58) 1688.38,-1573.04 J1.114@1688.38,-1626.09
  TOP w10: v1(296.19,-402.49) U15.2@327.7,-402.49
  ART04 w5: v1(296.19,-402.49) 328,-434.3 328,-443.34 416,-531.34 416,-1117.54 462.46,-1164 548,-1164 583.76,-1199.76 583.76,-1431.53 728.58,-1576.35 951.53,-1576.35 1008.07,-1519.81 1497.65,-1519.81 1558.06,-1580.22 1569.2,-1580.22 1583.11,-1566.31 1603.35,-1566.31 1623.85,-1545.81 1661.15,-1545.81 v1(1677.92,-1562.58)
CAM1_I2C_SCL: D20.1 R148.2 U14.20 U31.7 | length 441.3
  TOP w5: U31.7@155.87,-1304.61 155.87,-1311.86 164.01,-1320 188.01,-1320 200,-1331.99 R148.2@200,-1340.19 183.81,-1340.19 179.99,-1344.01 179.99,-1429.99 186.24,-1436.24 D20.1@200.49,-1436.24 200.49,-1453.03 211.46,-1464 v1(223,-1464) ; U14.20@198.64,-1628.68 v1(226.33,-1628.68)
  ART04 w5: v1(223,-1464) 232.5,-1473.5 232.5,-1622.51 v1(226.33,-1628.68)
CAM1_I2C_SDA: D21.1 R150.2 U14.21 U31.6 | length 388.1
  TOP w5: U31.6@140.13,-1304.61 140.13,-1318.03 148,-1325.9 R150.2@148,-1340.19 164.19,-1340.19 169.99,-1345.99 169.99,-1428.01 161.76,-1436.24 D21.1@149.49,-1436.24 149.49,-1449.49 188,-1488 188,-1556 170,-1574 170,-1599 179.99,-1608.99 U14.21@198.64,-1608.99
CAM1_MCLK: D19.1 J1.122 U14.18 | length 1823.5
  TOP w5: U14.18@198.64,-1668.05 238.2,-1668.05 D19.1@279.76,-1626.49 274.27,-1621 v1(255.76,-1621) ; v1(1760.99,-1705.7) 1767.12,-1699.57 J1.122@1767.12,-1626.09
  ART04 w5: v1(255.76,-1621) 323.71,-1553.05 342.97,-1553.05 349.92,-1560 589.5,-1560 665.85,-1636.35 1483.18,-1636.35 1576.87,-1730.04 1736.65,-1730.04 v1(1760.99,-1705.7)
CAM1_PWDN: J1.120 U16.2 | length 1647.4
  TOP w5: J1.120@1747.43,-1626.09 1750.45,-1629.11 v1(1750.45,-1685.13)
  TOP w10: v1(293.65,-1522.49) U16.2@327.7,-1522.49
  ART04 w5: v1(293.65,-1522.49) 314.21,-1543.05 347.12,-1543.05 354.07,-1550 593.65,-1550 670,-1626.35 1487.33,-1626.35 1581.02,-1720.04 1715.54,-1720.04 v1(1750.45,-1685.13)
CAM_I2C_SCL: J1.213 R21.2 U31.1 | length 3155.3
  TOP w5: U31.1@155.87,-1257.36 155.87,-1237.13 v1(161,-1232) ; v1(2669.85,-2031.01) 2689,-2031.01 2703.76,-2016.25 R21.2@2708,-2016.25 2708,-2015.32 2741.53,-1981.79 J1.213@2741.53,-1948.92
  ART04 w5: v1(161,-1232) 163.63,-1229.37 215.11,-1229.37 238,-1252.26 238,-1254.53 248.97,-1265.5 262.65,-1265.5 280.26,-1247.89 340.3,-1247.89 380,-1287.59 380,-1443.7 456.3,-1520 643.92,-1520 720.27,-1596.35 1499.8,-1596.35 1593.49,-1690.04 1681.24,-1690.04 1722.65,-1648.63 1870.49,-1648.63 1905.49,-1683.63 1905.49,-1690.51 1915.48,-1700.5 1999.64,-1700.5 2046.85,-1747.71 2303.36,-1747.71 2431.95,-1876.3 2431.95,-1897.22 2482.61,-1947.88 2546.44,-1947.88 2632.43,-2033.87 2666.99,-2033.87 v1(2669.85,-2031.01)
CAM_I2C_SDA: J1.215 R19.2 U31.2 | length 3280
  TOP w5: U31.2@140.13,-1255.39 140.01,-1255.27 140.01,-1223.4 v1(147.53,-1215.88) ; v1(2730.91,-2015.76) 2731.4,-2016.25 R19.2@2772,-2016.25 2772,-1999.99 2761.21,-1989.2 J1.215@2761.21,-1948.92
  ART04 w5: v1(147.53,-1215.88) 144.5,-1218.91 144.5,-1238.84 154.16,-1248.5 167.85,-1248.5 176.98,-1239.37 210.96,-1239.37 228,-1256.41 228,-1258.68 244.82,-1275.5 266.8,-1275.5 284.41,-1257.89 336.15,-1257.89 370,-1291.74 370,-1447.85 452.15,-1530 639.77,-1530 716.12,-1606.35 1495.64,-1606.35 1589.33,-1700.04 1685.39,-1700.04 1726.8,-1658.63 1866.34,-1658.63 1895.49,-1687.78 1895.49,-1694.66 1911.33,-1710.5 1995.49,-1710.5 2042.7,-1757.71 2299.21,-1757.71 2421.95,-1880.45 2421.95,-1901.37 2478.46,-1957.88 2542.29,-1957.88 2631.92,-2047.51 2699.16,-2047.51 v1(2730.91,-2015.76)
CAM_MUX_OE*: R152.1 U31.8 | length 72.3
  TOP w8: U31.8@180.48,-1295.75 183.75,-1295.75 224.25,-1336.25 R152.1@236,-1336.25
CAM_MUX_SEL: J1.130 R151.1 U31.10 | length 2094.7
  TOP w5: U31.10@180.48,-1264.25 195.74,-1264.25 v1(204.12,-1255.87) 208.12,-1255.87 R151.1@224.25,-1272 ; J1.130@1845.86,-1626.09 1845.86,-1694.56 v1(1848.87,-1697.57)
  ART04 w5: v1(204.12,-1255.87) 233.75,-1285.5 270.95,-1285.5 288.56,-1267.89 332,-1267.89 360,-1295.89 360,-1452 448,-1540 635.62,-1540 711.97,-1616.35 1491.49,-1616.35 1585.18,-1710.04 1689.54,-1710.04 1730.95,-1668.63 1767.68,-1668.63 1796.62,-1697.57 v1(1848.87,-1697.57)